# Altium PCB PCB_v6.PcbDoc (part 4 of 7) (continued)
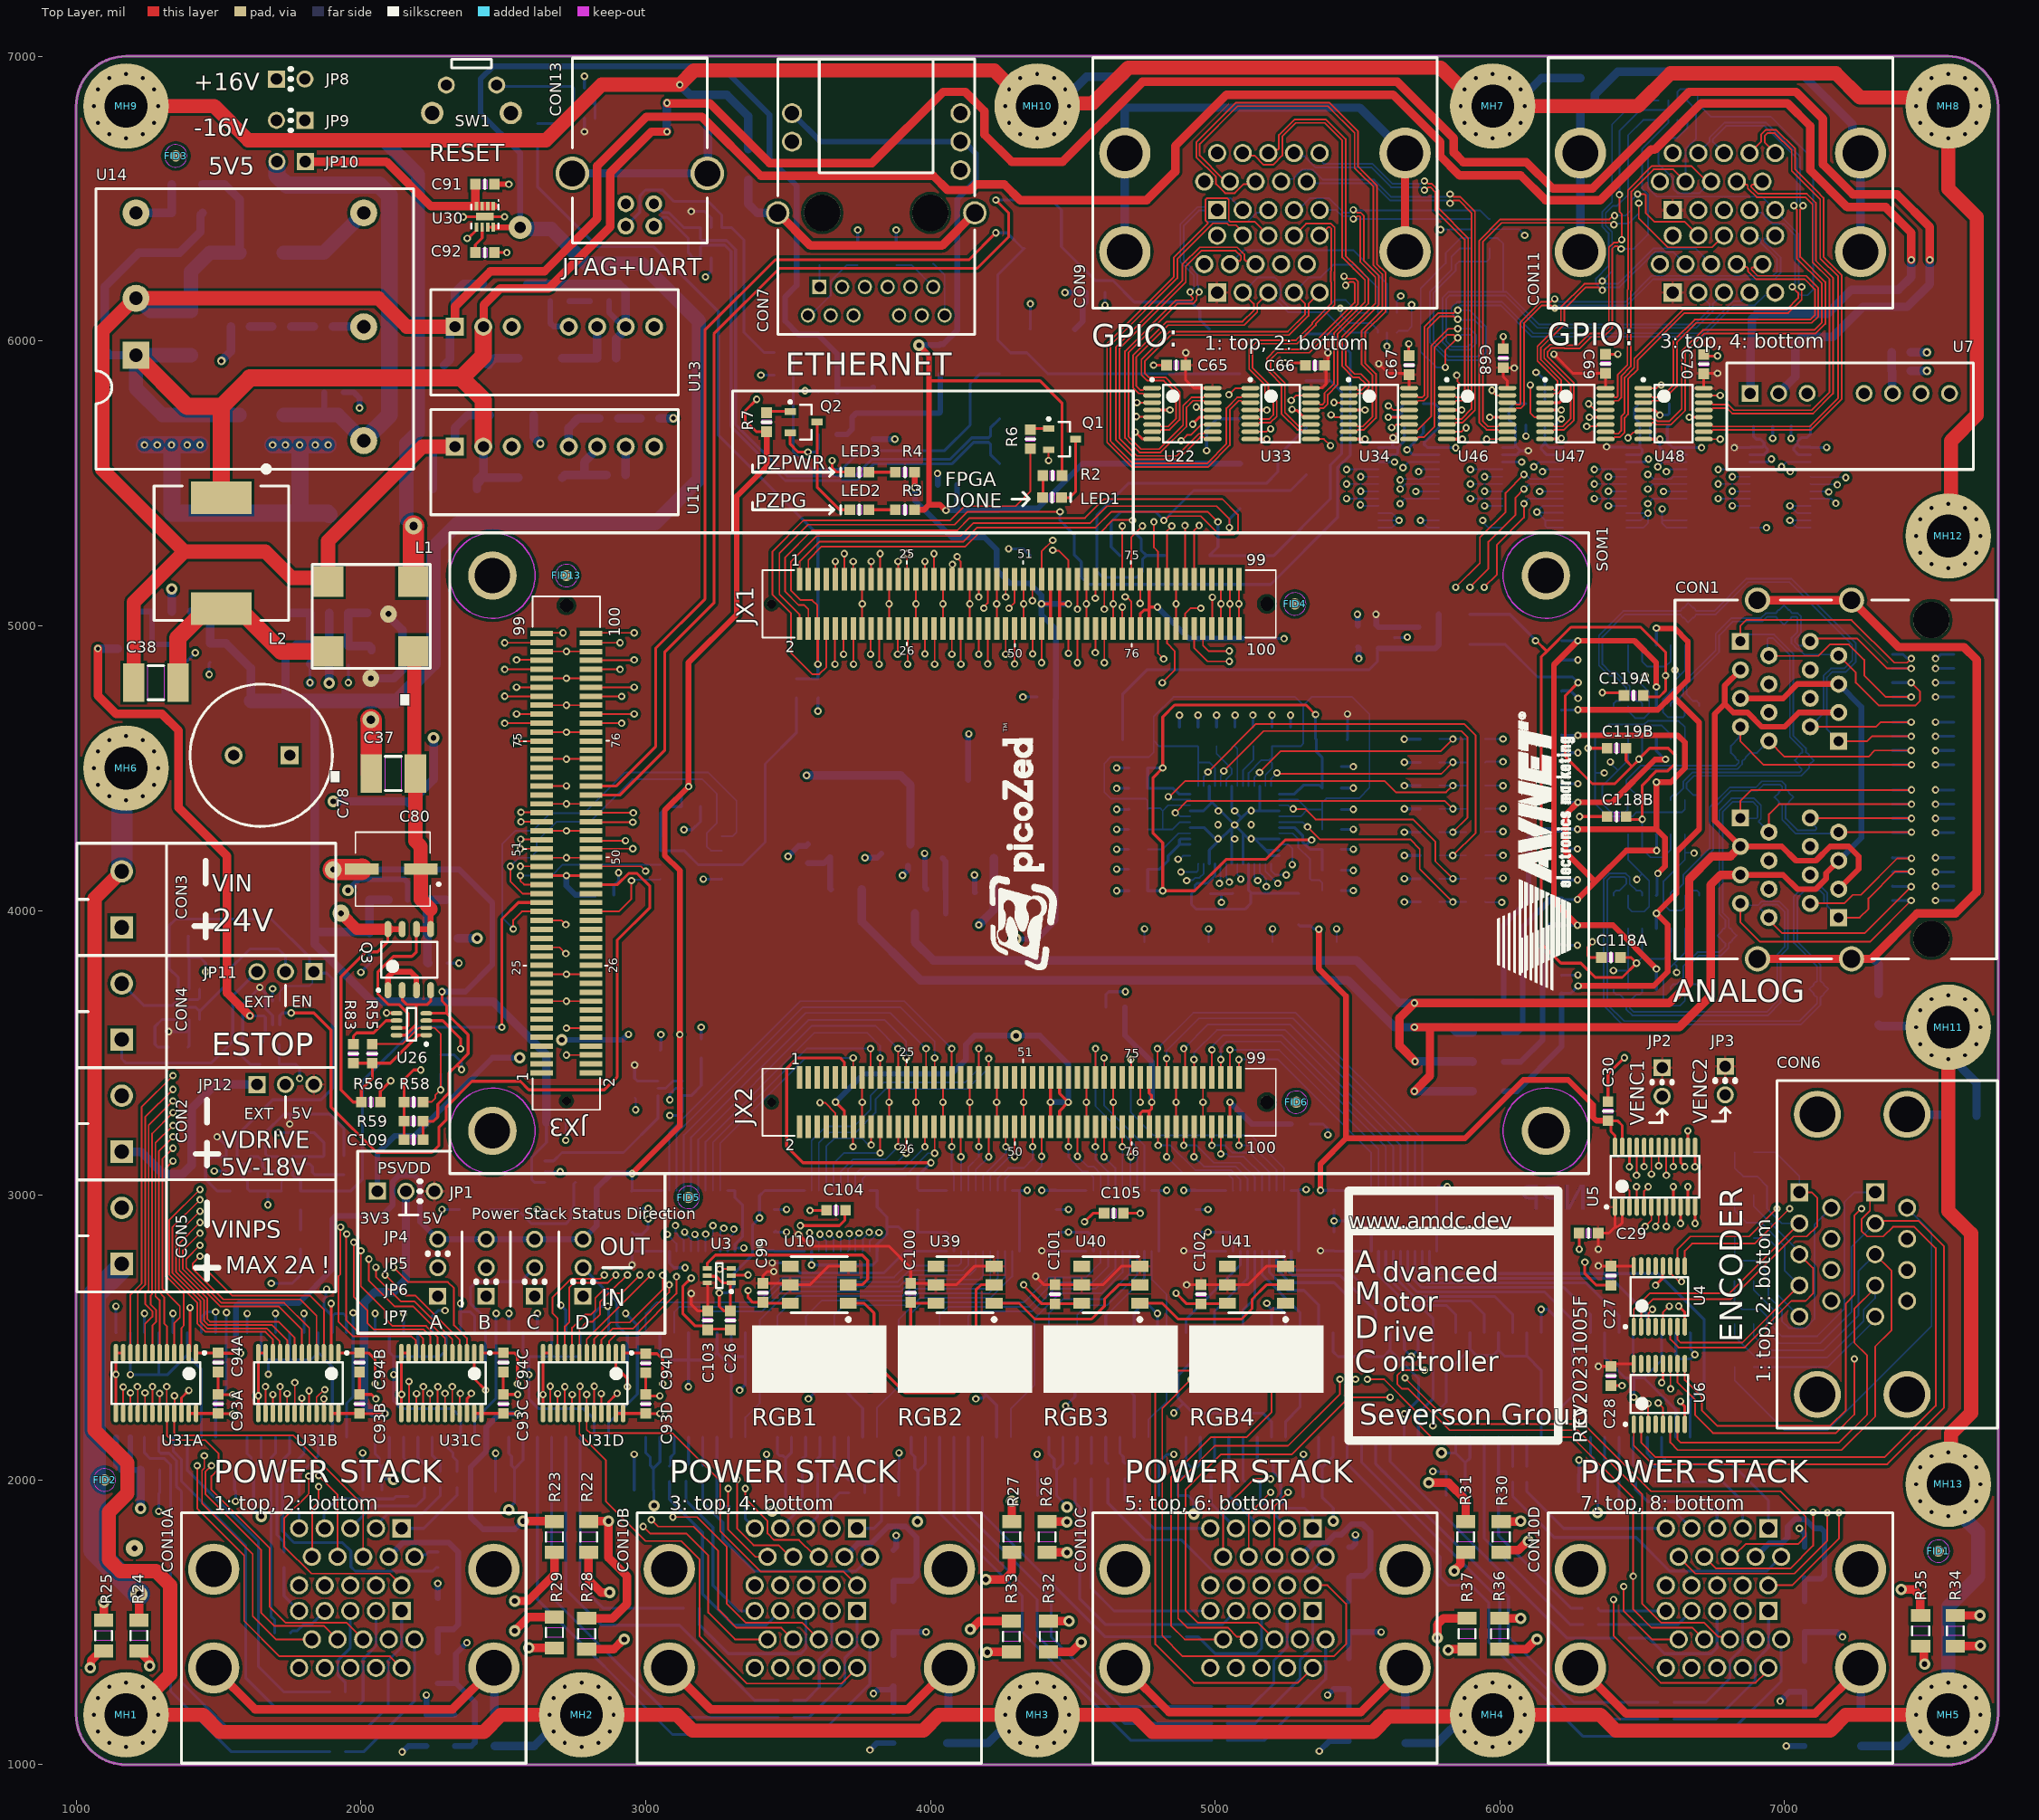
[diagram p0: Top Layer view]
## Nets (pads, with @x,y where several pads share a name; then routed paths per layer and width w, separated by ;. In a path a pad name is that pad's centre, name@x,y a point inside that pad or via, vN(x,y) a via of type N, cw(c..) or ccw(c..) an arc to the next point about the centre after c; other vN are vias at no path point) (continued)
  Bottom Layer w20: C50.1@1938.46,5820 1938.91,5819.55 1975.45,5819.55 1995,5800 v1(1995,5765) ; v2(1954.76,4070.75) 1993.6,4109.59 2152.39,4109.59 2164.3,4097.68 U15.3@2164.3,4037.33 ; v1(2145,1045) 2146.1,1045 2166.54,1065.43 2229.57,1065.43 R96A.1@2230,1065.87 ; v1(2269.89,1636.41) 2269.89,1584.25 R95A.1@2270,1584.13 ; v1(3500,4190) 3536.68,4226.68 3563.49,4226.68 C60.2@3570,4233.19 ; v1(3770.06,4184.94) 3813.13,4184.94 U19.1@3827.92,4199.73 ; v1(3788,1051.89) 3811.97,1075.87 R96B.1@3870,1075.87 ; U17.1@3799.84,5656.06 3800.37,5655.53 3874.47,5655.53 v1(3875,5655) ; R95B.1@3870,1754.13 3880,1764.13 v1(3880,1805) ; v1(3901.94,4123.06) 3921.3,4142.41 C59.2@3921.3,4157.56 ; v1(3979.44,4200.56) 3980.59,4199.41 3980.59,4080.94 C58.1@3986.54,4075 ; v1(4025,5535) 4025.77,5534.23 4025.77,5495.77 C115.1@4026.54,5495 ; U18.4@4132.96,4458.07 4132.96,4616.34 4135,4618.38 v1(4135,4620) ; v1(4155,4125) 4155.77,4124.23 4155.77,4064.67 C57.1@4156.54,4063.9 ; v1(5365.63,1047.5) 5401.59,1083.46 R96C.1@5470,1083.46 ; R95C.1@5470,1764.13 5480.65,1764.13 5493.28,1776.77 v1(5493.28,1807.37) ; v1(5500,5040) 5500.77,5039.23 5500.77,5000.77 C98.1@5501.54,5000 ; C117.1@5501.54,4925 5503.85,4922.68 5503.85,4886.15 v1(5505,4885) ; v1(7006,1065.87) R96D.1@7070,1065.87 ; v1(7052.05,1830) 7070,1812.05 R95D.1@7070,1764.13
  Bottom Layer w30: v2(1336,5129) 1336.19,5128.81 1336.19,5050.19 U21.3@1336.39,5050 ; v4(1510,5930) 1543.26,5963.26 R45.1@1543.26,6051 ; v1(1821,4800) v1@1821.42,4800.42 ; C61.2@1821.42,4866.12 C61.2@1821.84,4866.54 ; v2(1888.84,4799) U20.3@1888.84,5045 ; v2(1903,4383) 2163.64,4383 U15.6@2164.3,4382.33 2170.64,4376 2255.12,4460.48 v2(2255.12,4606.07) ; C36.2@2607.48,5740 2607.48,5662.52 v4(2630,5640) ; C41.2@2707.48,5940 C44.2@2829.7,5940 2829.85,5940.15 2829.85,6049.85 U13.6@2830,6050 ; U11.7@2930,5629.04 U11.7@2930,5629.04 2930.05,5530.05 C39.1@2930.09,5530 ; R40.1@3048.37,5728.9 v4(3097.37,5728.9) ; C96.1@7443.46,5895 v4(7500,5895) ; C97.1@7443.46,5960 v4(7500,5960)
  Bottom Layer w50: C48.2@1728.87,6310 1870,6310 U14.4@2010,6450
  Bottom Layer w60: v1(1240,5635) v1(1285,5635) v1(1335,5635) ; v1(1435,5635) v1(1390,5635) v1(1335,5635) ; v1(1690,5635) v1(1735,5635) v1(1785,5635) ; U20.6@1786.39,5395 1786.39,5633.61 v1(1785,5635) ; v1(1885,5635) v1(1840,5635) v1(1785,5635) ; U20.6@1888.84,5390 1883.84,5395 U21.6@1336.39,5395 1336.39,5633.61 v1(1335,5635)
  other v1: 1640,2295.38 6685,2440 5396.06,3212.02 3855.04,3326.62 4138.5,3326.61 2721.73,4185.37 5068.5,4251.26 5010.34,4252.1 5126.66,4252.1 2721.73,4279.85 5010.34,4301.32 5126.66,4301.32 5011.2,4349.37 5068.5,4349.69 5126.66,4350.53 2721.73,4374.34 2721.73,4531.82 2721.74,4626.31 2721.73,4720.8 2721.73,4815.29 2721.73,4909.78 3760.55,5076.61 3855.04,5076.61 3949.53,5076.61 4044.02,5076.61 4138.51,5076.61 4232.99,5076.61 4327.48,5076.61 4547.95,5076.62 4642.44,5076.62 4862.91,5076.62
GND_IN: C37.1 C78.2 C80.2 C108.2 C109.2 CON3.2 L1.2 MH1.1 MH2.1 MH3.1 MH4.1 MH5.1 MH6.1 MH7.1 MH8.1 MH9.1 MH10.1 MH11.1 MH12.1 MH13.1 R1.2 R9.1 R10.2 R17A.2 R17B.2 R17C.2 R17D.2 R18.2 R19.2 R20.2 R59.2 U26.4 | length 31791.7
  Top Layer w6: MH7.1@6011.93,6790.91 6053.62,6790.91 MH7.1@6056.54,6793.82
  Top Layer w10: C109.2@2218.46,3195 R59.2@2218.46,3260 2255,3260 2270,3275 2270,3320 2310,3360 2310,3430 2337.5,3457.5 ; U26.4@2229.72,3638.78 2301.22,3638.78 ; v1(2285,3715) 2285,3682.29 2301.22,3666.07 2301.22,3638.78 ; v1(2353.58,3441.42) 2337.5,3457.5 ; 2301.22,3638.78 2376.73,3563.27 2376.73,3496.73 2337.5,3457.5
  Top Layer w30: MH10.1@4349.23,6825 MH10.1@4375,6825
  Top Layer w50: CON3.2@1160,4137.43 1065,4042.43 1065,2175 1180,2060 1180,1952.5 1115,1887.5 1115,1720 1155,1680 1280,1680 1330,1630 1330,1316.78 1263.27,1250.05 1263.27,1244.21 1268.74,1238.74 MH1.1@1205,1175 ; MH9.1@1175,6825 MH9.1@1287.5,6825 1485,6825 1605,6705 2650,6705 2845,6900 v1(3120,6900) 3170,6950 4224.23,6950 MH10.1@4349.23,6825 ; MH1.1@1245.73,1261.75 1175,1191.02 MH1.1@1175,1175 MH1.1@1205,1175 ; MH10.1@4375,6825 4384.06,6834.06 4569.06,6834.06 4695,6960 5791.8,6960 5926.8,6825 MH7.1@5975,6825 MH7.1@6087.5,6825 6485,6825 6600,6940 7180,6940 7265,6855 7545,6855 MH8.1@7575,6825 MH8.1@7575,6712.5 7575,6535 7675,6435 7675,5740 7584.06,5649.06 7584.06,5324.06 MH12.1@7575,5315 ; MH5.1@7575,1175 MH5.1@7462.5,1175 7215,1175 7160,1120 6407.74,1120 6352.74,1175 MH4.1@6087.5,1175 MH4.1@5975,1175 5970,1170 5610,1170 5555,1115 4780,1115 4720,1175 MH3.1@4487.5,1175 MH3.1@4375,1175 MH3.1@4262.5,1175 4030,1175 3975,1120 3165,1120 3110,1175 MH2.1@2887.5,1175 MH2.1@2775,1175 MH2.1@2662.5,1175 2491.78,1175 2431.78,1115 1505,1115 1445,1175 MH1.1@1287.5,1175 MH1.1@1205,1175 ; MH13.1@7575,1985 7584.06,1994.06 7584.06,2164.06 7655,2235 7655,2865 7575,2945 MH11.1@7575,3477.5 MH11.1@7575,3590
  Top Layer w75: v3(1903,4143.43) 2001.73,4143.43 C80.2@2003.31,4145 ; v5(2035,4670) 2036.43,4668.57 C37.1@2036.43,4481.33 ; L1.2@2184.21,5154.09 2184.21,5349.21 v5(2185,5350)
  Int2 (Sign) w75: CON3.2@1160,4137.43 1327.42,4137.43 1553,4363 ; v3(1903,4143.43) 1772.58,4143.43 1553,4363 ; v5(2185,5350) 2185,4820 v5(2035,4670) 1678,4670 C78.2@1553,4545 1553,4363
  Bottom Layer w10: C108.2@2280,3493.46 2326.54,3493.46 2353.58,3466.42 v1(2353.58,3441.42)
  Bottom Layer w20: v3(1903,4143.43) 2345.45,4143.43 2461.73,4027.14 2461.73,3809.96 2366.77,3715 v1(2285,3715)
  Bottom Layer w30: R17A.2@2470,1065.87 2608.36,1065.87 2717.5,1175 MH2.1@2775,1175 ; v1(3120,6900) 3155.87,6864.13 R18.2@3220,6864.13 3285.87,6864.13 3360,6790 R10.2@3360,6674.13 ; R17B.2@4060,1075.87 4202.8,1075.87 4301.94,1175 MH3.1@4375,1175 ; MH10.1@4375,6825 4445.61,6825 4548.19,6927.58 R19.2@4683,6927.58 ; R17C.2@5670,1075.87 5779.93,1075.87 5879.06,1175 MH4.1@5975,1175 ; MH7.1@5975,6825 6048.06,6825 6146.25,6923.19 R20.2@6283,6923.19 ; R17D.2@7270,1065.87 7408.36,1065.87 7517.5,1175 MH5.1@7575,1175 ; R1.2@7330,3599.13 7334.57,3594.57 7570.43,3594.57 MH11.1@7575,3590 7575,3494.06 7674.13,3394.93 R9.1@7674.13,3280
  Bottom Layer w50: MH9.1@1175,6825 MH9.1@1287.5,6825 1485,6825 1605,6705 2080,6705 2200,6585 2200,5680 2160,5640 2160,5375 v5(2185,5350) ; MH5.1@7575,1175 MH5.1@7575,1287.5 7575,1555 7680,1660 7680,1816.68 7575,1921.68 MH13.1@7575,1985 MH13.1@7625,2035 ; MH11.1@7575,3590 MH11.1@7625,3640 ; MH12.1@7575,5315 MH12.1@7584.06,5305.94
  Bottom Layer w75: CON3.2@1160,4137.43 1160.72,4138.14 1160.72,4485.72 MH6.1@1175,4500
GND_IN2: C36.1 C38.1 C40.1 C42.1 C46.1 C48.1 C49.1 C95.1 L1.3 R47.2 U7.1 U11.1 U13.1 U14.2 | length 13278.3
  Top Layer w30: U13.1@2330,6050 2330,6120 2455,6245 2645,6245 2830,6430 2830,6615 3002.6,6787.6 3197.4,6787.6 3405,6580 4010,6580 4060,6530 4140,6530 4160,6550 4260,6550 4315,6495 4760,6495 4860,6595 4860,6685 5040,6865 5625,6865 5790.08,6699.92 5790.08,6649.95 5858.07,6581.95 6073.05,6581.95 6160.21,6494.79 6353.08,6494.79 6530.17,6671.89 6543.94,6671.89 6707.05,6835 7010,6835 7090,6755 7090,6600 7220,6470 7355,6470 7445,6380 v1(7445,6285)
  Top Layer w50: C38.1@1202.52,4800 1202.52,5082.52 1380,5260 ; U11.1@2330,5629.04 2216.41,5629.04 1885,5297.63 L1.3@1885,5155 1871.85,5168.15 1756.85,5168.15 1665,5260 1380,5260 ; U13.1@2330,6050 2161.3,6050 2061.3,6150 U14.2@1210,6150 1206.59,6150 1091.57,6034.98 1091.57,5548.43 1380,5260
  Bottom Layer w30: R47.2@1444.13,6550 1521.15,6550 1573.91,6497.24 C48.1@1573.91,6310 ; C40.1@2252.52,5480 2252.52,5611.47 2270.09,5629.04 U11.1@2330,5629.04 2330,5695 2375,5740 C36.1@2452.52,5740 ; C46.1@2292.52,5915 2313.5,5935.98 2313.5,6033.5 U13.1@2330,6050 2330,6170 2360,6200 C42.1@2429.58,6200 ; U7.1@6879.29,5816.26 6880.91,5817.87 6880.91,5980 6884.93,5984.02 6884.93,6077.43 6902.5,6095 7150,6095 7235,6180 7400,6180 7445,6225 v1(7445,6285)
  Bottom Layer w50: U14.2@1210,6150 1215.64,6150 1260.68,6104.96 C49.1@1403.39,6104.96 1403.39,6243.39 1470,6310 C48.1@1573.91,6310
GND_IN_PS: CON5.2 CON10A.14A CON10A.14B CON10B.14A CON10B.14B CON10C.14A CON10C.14B CON10D.14A CON10D.14B | length 10529.7
  Int2 (Sign) w50: CON5.2@1160,2955.43 1060,2855.43 1060,1905 v3(1205,1760)
  Int3 (Sign) w20: 1729.55,1680 1823,1680 CON10A.14A@1873,1630 ; 3337,1682 3421,1682 CON10B.14A@3473,1630 ; 4908,1678 5025,1678 CON10C.14A@5073,1630 ; 6510,1645 6547,1682 6621,1682 CON10D.14A@6673,1630
  Int3 (Sign) w50: v3(1205,1760) 1450,1515 1564.55,1515 ; 1729.55,1680 1564.55,1515 ; CON10A.14B@1873,1340 1873,1195 ; 3337,1682 3265,1610 3265,1200 ; CON10B.14B@3473,1340 3473,1200 ; 4908,1678 4845,1615 4845,1190 ; CON10C.14B@5073,1340 5073,1190 ; 6510,1645 6510,1165 ; CON10D.14B@6673,1340 6670.32,1337.32 6670.32,1247.32 6588,1165 6510,1165 ; 1564.55,1515 1660,1419.55 1660,1308.43 1773.43,1195 1873,1195 ; 1873,1195 2520,1195 2700,1375 2855.41,1375 3030.41,1200 3265,1200 ; 3265,1200 3473,1200 ; 3473,1200 4112.5,1200 4287.5,1375 4455,1375 4640,1190 4845,1190 ; 4845,1190 5073,1190 ; 5073,1190 5708.82,1190 5893.82,1375 6059.43,1375 6269.43,1165 6510,1165
GPIO1_IN1: U22.3 U31E.21 | length 998.8
  Top Layer w6: v1(4725.34,5783.39) U22.3@4778.7,5783.39
  Int2 (Sign) w6: v1(4725.34,5783.39) 4871.61,5783.39 4915,5740 4980,5740 5171.02,5548.98 v1(5461.81,5548.98)
  Bottom Layer w6: v1(5461.81,5548.98) U31E.21@5573.7,5548.98
GPIO1_IN1_N: CON9.3A U9.8 U22.1 | length 1147.8
  Top Layer w6: U22.1@4778.7,5834.57 4753.49,5834.57 4746.69,5827.77 4736.93,5827.77 4723.46,5841.24 4723.46,5944.05 4835.08,6055.67 5101.38,6055.67 5148,6102.29 5148,6131 CON9.3A@5187,6170
  Bottom Layer w6: CON9.3A@5187,6170 5255.88,6101.11 5388.34,6101.11 5459.46,6030 U9.8@5536.43,6030
GPIO1_IN1_P: CON9.2A U9.1 U22.2 | length 1331.2
  Top Layer w6: U22.2@4778.7,5808.98 4753.49,5808.98 4746.69,5815.77 4731.96,5815.77 4711.46,5836.27 4711.46,5949.02 4830.11,6067.67 5096.41,6067.67 5136,6107.26 5136,6131 CON9.2A@5097,6170
  Bottom Layer w6: CON9.2A@5097,6170 5097.84,6170 5151.38,6223.54 5209,6223.54 5228,6204.54 5228,6149.52 5264.4,6113.11 5389.54,6113.11 5420.09,6143.66 5458.84,6143.66 5503.99,6098.5 U9.1@5536.43,6098.5
GPIO1_IN2: U22.5 U31E.20 | length 1047.9
  Top Layer w6: v1(4723.46,5734.38) 4724.55,5733.29 4777.61,5733.29 U22.5@4778.7,5732.2
  Int2 (Sign) w6: v1(4723.46,5734.38) 4985.64,5472.2 5472.2,5472.2 5490,5490 5498.04,5490 5511.36,5503.32 v1(5511.36,5523.39)
  Bottom Layer w6: v1(5511.36,5523.39) U31E.20@5573.7,5523.39
GPIO1_IN2_N: CON9.5A U9.7 U22.7 | length 1426
  Top Layer w6: U22.7@4778.7,5681.02 4803.92,5681.02 4810.71,5687.82 4840.14,5687.82 4875.42,5723.09 4875.42,5822.03 4843.57,5853.88 4839.32,5858.12 4824.86,5872.58 4766.91,5872.58 4753.49,5886 4753.49,5929.57 4844.55,6020.63 5259.92,6020.63 5328,6088.71 5328,6131 CON9.5A@5367,6170 CON9.5A@5364.02,6170
  Int2 (Sign) w6: CON9.5A@5367,6170 5418.17,6118.83 5435.68,6118.83 v1(5439.51,6115)
  Bottom Layer w6: v1(5439.51,6115) 5441,6113.51 5441,6093 5470.71,6063.29 5547.44,6063.29 5571.86,6038.86 U9.7@5571.86,6030
GPIO1_IN2_P: CON9.4A U9.2 U22.6 | length 1579
  Top Layer w6: U22.6@4778.7,5706.61 4803.92,5706.61 4810.71,5699.82 4835.17,5699.82 4863.42,5728.06 4863.42,5817.06 4819.89,5860.58 4761.94,5860.58 4741.49,5881.03 4741.49,5934.54 4839.57,6032.63 5254.95,6032.63 5316,6093.68 5316,6131 CON9.4A@5277,6170
  Bottom Layer w6: CON9.4A@5277,6170 5330.54,6223.54 5371.19,6223.54 5414.92,6267.28 5489.87,6267.28 5571.86,6185.28 U9.2@5571.86,6098.5
GPIO1_IN3: U22.11 U31E.19 | length 890.4
  Top Layer w6: v1(4880.56,5649.44) 4901.11,5670 4915,5670 4951.21,5706.21 4990.9,5706.21 U22.11@4991.3,5706.61
  Int2 (Sign) w6: v1(4880.56,5649.44) 5032.2,5497.8 v1(5461.81,5497.8)
  Bottom Layer w6: v1(5461.81,5497.8) U31E.19@5573.7,5497.8
GPIO1_IN3_N: CON9.8A U9.6 U22.9 | length 2181.4
  Top Layer w6: U22.9@4991.3,5655.43 4966.08,5655.43 4959.29,5662.23 4947.4,5662.23 4869.55,5584.37 4720.37,5584.37 4655.45,5649.29 4651.94,5652.8 4651.94,5978.78 4885,6211.85 4885,6267.95 4946.05,6329 5077.45,6329 5091.74,6314.71 5095.97,6310.48 5103,6303.45 5103,6285.74 5107.64,6281.1 5130.9,6281.1 CON9.8A@5142,6270
  Int2 (Sign) w6: CON9.8A@5142,6270 5190.92,6318.92 5402.67,6318.92 5603.42,6118.17 v1(5603.42,5981.58)
  Bottom Layer w6: v1(5603.42,5981.58) U9.6@5603.36,6030
GPIO1_IN3_P: CON9.7A U9.3 U22.10 | length 2095
  Top Layer w6: U22.10@4991.3,5681.02 4966.08,5681.02 4959.29,5674.23 4942.43,5674.23 4864.58,5596.37 4725.34,5596.37 4663.94,5657.78 4663.94,5973.81 4897,6206.88 4897,6262.98 4951.02,6317 5072.48,6317 5091,6298.48 5091,6285.74 5086.36,6281.1 5063.1,6281.1 CON9.7A@5052,6270
  Bottom Layer w6: CON9.7A@5052,6270 5100.92,6318.92 5485.61,6318.92 5603.36,6201.16 U9.3@5603.36,6098.5
GPIO1_OUT1: U31G.21 U33.1 | length 1309.2
  Top Layer w6: v1(5048.54,5811.53) 5071.58,5834.57 U33.1@5123.7,5834.57
  Int2 (Sign) w6: v1(5048.54,5811.53) 5102.02,5865 5735,5865 5795,5805 5795,5615 5861.02,5548.98 v1(5896.81,5548.98)
  Bottom Layer w6: v1(5896.81,5548.98) U31G.21@6008.7,5548.98
GPIO1_OUT1_N: CON9.13A U33.3 | length 2031.5
  Top Layer w6: U33.3@5123.7,5783.39 5098.49,5783.39 5091.69,5790.18 5083.01,5790.18 5051.89,5759.06 5051.89,5633.86 4976.03,5558 4706.53,5558 4643.45,5621.08 4620.44,5644.09 4620.44,5990.47 4855.47,6225.5 4855.47,6293.43 4973.67,6411.63 4973.67,6416.6 4966,6424.27 4966,6495.73 4971.27,6501 5042.73,6501 5048,6495.73 5048,6424.51 5053.51,6419 5138,6419 CON9.13A@5187,6370
GPIO1_OUT1_P: CON9.12A U33.2 | length 1739.9
  Top Layer w6: CON9.12A@5097,6370 5097,6382.95 5072.95,6407 5048.54,6407 5042.12,6413.42 4992.44,6413.42 4867.47,6288.46 4867.47,6220.53 4632.44,5985.5 4632.44,5649.06 4643.45,5638.05 4711.5,5570 4971.06,5570 5039.89,5638.83 5039.89,5764.03 5078.04,5802.18 5091.69,5802.18 5098.49,5808.98 U33.2@5123.7,5808.98
GPIO1_OUT2: U31G.20 U33.7 | length 1190.4
  Top Layer w6: U33.7@5123.7,5681.02 5179.29,5681.02 5189.69,5691.42 v1(5195.1,5691.42)
  Int2 (Sign) w6: v1(5195.1,5691.42) 5251.42,5691.42 5400,5840 5715,5840 5770,5785 5770,5600 5846.61,5523.39 v1(5946.36,5523.39)
  Bottom Layer w6: v1(5946.36,5523.39) U31G.20@6008.7,5523.39
GPIO1_OUT2_N: CON9.15A U33.5 | length 1033
  Top Layer w6: U33.5@5123.7,5732.2 5148.92,5732.2 5155.71,5725.41 5189.52,5725.41 5204.34,5740.23 5204.34,5783.92 5193.7,5794.56 5175,5813.26 5175,5845.39 5119.37,5901.02 5119.37,5970.52 5151.33,6002.47 5283.5,6002.47 5341.51,6060.48 5341.51,6065.08 5408,6131.57 5408,6206.56 5406.76,6207.8 5406.76,6245.91 5408,6247.15 5408,6394.54 5402.26,6400.29 5397.29,6400.29 CON9.15A@5367,6370
GPIO1_OUT2_P: CON9.14A U33.6 | length 1167.8
  Top Layer w6: U33.6@5123.7,5706.61 5148.92,5706.61 5155.71,5713.41 5194.49,5713.41 5216.34,5735.26 5216.34,5788.89 5212.82,5792.41 5193.7,5811.53 5187,5818.23 5187,5850.36 5131.37,5905.99 5131.37,5965.55 5156.3,5990.47 5288.47,5990.47 5353.51,6055.51 5353.51,6060.11 5420,6126.6 5420,6211.53 5418.76,6212.77 5418.76,6240.94 5420,6242.18 5420,6399.51 5407.23,6412.29 5319.29,6412.29 CON9.14A@5277,6370
GPIO1_OUT3: U31G.19 U33.9 | length 1133.9
  Top Layer w6: U33.9@5336.3,5655.43 5382.07,5655.43 v1(5405,5632.5)
  Int2 (Sign) w6: v1(5405,5632.5) 5355,5682.5 5355,5760 5410,5815 5690,5815 5745,5760 5745,5590 5837.2,5497.8 v1(5896.81,5497.8)
  Bottom Layer w6: v1(5896.81,5497.8) U31G.19@6008.7,5497.8
GPIO1_OUT3_N: CON9.10A U33.11 | length 993.7
  Top Layer w6: U33.11@5336.3,5706.61 5311.08,5706.61 5304.29,5699.82 5293.92,5699.82 5245,5748.74 5245,5853 5208.49,5889.52 5194.49,5903.51 5194.49,5934.54 5218.85,5958.9 5331.49,5958.9 5502.27,6129.68 5502.27,6207.56 5490.95,6218.88 5466.14,6218.88 5458.17,6226.85 v1(5452.76,6226.85)
  Int2 (Sign) w6: CON9.10A@5322,6270 5409.61,6270 v1(5452.76,6226.85)
GPIO1_OUT3_P: CON9.9A U33.10 | length 1098.2
  Top Layer w6: U33.10@5336.3,5681.02 5311.08,5681.02 5304.29,5687.82 5288.95,5687.82 5233,5743.77 5233,5848.03 5195.76,5885.28 5182.49,5898.54 5182.49,5939.51 5213.88,5970.9 5326.52,5970.9 5490.27,6134.65 5490.27,6202.59 5485.98,6206.88 5471.81,6206.88 5460.32,6195.39 v1(5458.57,6195.39)
  Int2 (Sign) w6: CON9.9A@5232,6270 5278.46,6223.54 5399.31,6223.54 5427.47,6195.39 v1(5458.57,6195.39)
GPIO2_IN1: U22.13 U31E.18 | length 896.1
  Top Layer w6: v1(4934.05,5768.18) 4939.46,5768.18 4949.84,5757.8 U22.13@4991.3,5757.8
  Int2 (Sign) w6: v1(4934.05,5768.18) 5006.82,5768.18 5185,5590 5485,5590 5534.02,5540.98 5534.02,5494.86 v1(5511.36,5472.2)
  Bottom Layer w6: v1(5511.36,5472.2) U31E.18@5573.7,5472.2
GPIO2_IN1_N: CON9.3B U9.5 U22.15 | length 2598.9
  Top Layer w6: v1(4944,6172.32) 4944,6166.91 4935.2,6158.11 4935.2,6143.93 4922.27,6131 4867.54,6131 4695.43,5958.9 4695.43,5664.65 4712.52,5647.56 4739.71,5620.37 4803.4,5620.37 4887.42,5704.39 4887.42,5772.17 4917.43,5802.18 4959.29,5802.18 4966.08,5808.98 U22.15@4991.3,5808.98
  Int2 (Sign) w6: CON9.3B@5187,6460 5228,6501 5400.95,6501 5432,6469.95 5432,6321.61 5626.11,6127.5 v1(5690.07,6127.5)
  Bottom Layer w6: v1(4944,6172.32) 4940.51,6175.81 4940.51,6194.32 4937.51,6197.32 4937.51,6234.99 4890.11,6282.39 4890.11,6405.71 4942.9,6458.5 4962.49,6458.5 4966,6454.98 4966,6424.27 4971.27,6419 5113.98,6419 5146,6451.02 5178.02,6451.02 CON9.3B@5187,6460 ; U9.5@5638.79,6030 5644.38,6035.59 5675,6035.59 5690,6050.58 5690,6127.43 v1(5690.07,6127.5)
GPIO2_IN1_P: CON9.2B U9.4 U22.14 | length 2519.5
  Top Layer w6: v1(4912,6172.32) 4915.83,6168.5 4915.83,6158.09 4921.62,6152.29 4921.62,6147.32 4917.3,6143 4862.56,6143 4683.43,5963.87 4683.43,5659.68 4699.79,5643.32 4734.74,5608.37 4808.37,5608.37 4899.42,5699.42 4899.42,5767.19 4922.4,5790.18 4959.29,5790.18 4966.08,5783.39 U22.14@4991.3,5783.39
  Int2 (Sign) w6: CON9.2B@5097,6460 5150,6513 5405.92,6513 5444,6474.92 5444,6326.58 5612.49,6158.09 v1(5651.75,6158.09)
  Bottom Layer w6: v1(4912,6172.32) 4925.51,6185.84 4925.51,6230.02 4878.11,6277.42 4878.11,6410.68 4937.93,6470.5 4962.49,6470.5 4966,6474.01 4966,6495.73 4971.27,6501 5056,6501 CON9.2B@5097,6460 ; U9.4@5638.79,6098.5 5638.79,6139.93 5651.75,6152.89 v1(5651.75,6158.09)
GPIO2_IN2: U31E.17 U34.3 | length 774.3
  Top Layer w6: v1(5417.64,5783.98) 5417.94,5783.68 5468.4,5783.68 U34.3@5468.7,5783.39
  Int2 (Sign) w6: v1(5417.64,5783.98) 5421.47,5780.15 5445.99,5780.15 5577.19,5648.95 5577.19,5428.18 5534.02,5385 5495.97,5385 5461.81,5419.16 v1(5461.81,5446.61)
  Bottom Layer w6: v1(5461.81,5446.61) U31E.17@5573.7,5446.61
GPIO2_IN2_N: CON9.5B U34.1 U49.8 | length 1351.2
  Top Layer w6: U34.1@5468.7,5834.57 5493.92,5834.57 5500.71,5827.77 5515,5827.77 5528.18,5840.95 5528.18,5850.27 5506.39,5872.06 5485.3,5872.06 5446.29,5911.07 5446.29,6015.5 5563,6132.2 5563,6224.55 5510.19,6277.36 5510.19,6435.08 5506.68,6438.6 5499.08,6438.6 5489.08,6428.6 v1(5485.57,6428.6)
  Bottom Layer w6: CON9.5B@5367,6460 5424.98,6460 5446.38,6438.6 5472.05,6438.6 5482.05,6428.6 v1(5485.57,6428.6) 5485.88,6428.28 5895.99,6428.28 U49.8@5896.3,6427.97
GPIO2_IN2_P: CON9.4B U34.2 U49.1 | length 1591.7
  Top Layer w6: U34.2@5468.7,5808.98 5493.92,5808.98 5500.71,5815.77 5519.97,5815.77 5540.18,5835.98 5540.18,5855.24 5511.36,5884.06 5490.27,5884.06 5458.29,5916.04 5458.29,6010.53 5575,6127.23 5575,6229.52 5522.19,6282.33 5522.19,6440.05 5511.65,6450.6 5499.08,6450.6 5489.08,6460.6 v1(5485.57,6460.6)
  Bottom Layer w6: CON9.4B@5277,6460 5291.02,6460 5332.02,6501 5400.95,6501 5451.36,6450.6 5472.05,6450.6 5482.05,6460.6 5483.59,6459.06 5930.72,6459.06 5961.81,6427.97 U49.1@5964.8,6427.97
GPIO2_IN3: U31E.16 U34.5 | length 531.2
  Top Layer w6: v1(5407.23,5740.38) 5412.64,5740.38 5420.82,5732.2 U34.5@5468.7,5732.2
  Int2 (Sign) w6: v1(5407.23,5740.38) 5558.18,5589.43 5558.18,5467.85 5514.95,5424.61 v1(5510,5424.61)
  Bottom Layer w6: v1(5510,5424.61) 5513.59,5421.02 U31E.16@5573.7,5421.02
GPIO2_IN3_N: CON9.8B U34.7 U49.7 | length 3339.5
  Top Layer w6: CON9.8B@5142,6560 5133.02,6551.02 5101,6551.02 5068.98,6519 5035.02,6519 5003,6551.02 5003,6576.98 4934.05,6645.94 4934.05,6696.97 5074.08,6837 5400.75,6837 5440.52,6797.23 5471.81,6765.94 5501.89,6735.86 5501.89,6612.71 5523.49,6591.11 5568,6546.6 5568,6270.47 5599,6239.47 5599,6103.67 5527,6031.67 5527,5922.5 5564.71,5884.79 5564.71,5729.41 5523.11,5687.82 5500.71,5687.82 5493.92,5681.02 U34.7@5468.7,5681.02
  Int2 (Sign) w6: CON9.8B@5142,6560 5142,6718.57 5178.76,6755.34 5377.58,6755.34 5477.89,6655.03 5477.89,6586.14 5601.11,6462.92 5720.06,6462.92 v1(5791.8,6391.18)
  Bottom Layer w6: v1(5791.8,6391.18) 5792.48,6391.86 5895.62,6391.86 U49.7@5896.3,6392.54
GPIO2_IN3_P: CON9.7B U34.6 U49.2 | length 3553.9
  Top Layer w6: CON9.7B@5052,6560 5040.9,6571.1 5025.86,6571.1 4946.05,6650.91 4946.05,6692 5079.05,6825 5395.78,6825 5428.52,6792.26 5459.08,6761.7 5489.89,6730.89 5489.89,6607.74 5510.76,6586.87 5556,6541.63 5556,6265.5 5587,6234.5 5587,6108.64 5515,6036.64 5515,5917.53 5518.51,5914.01 5552.71,5879.82 5552.71,5734.38 5518.14,5699.82 5500.71,5699.82 5493.92,5706.61 U34.6@5468.7,5706.61
  Int2 (Sign) w6: CON9.7B@5052,6560 5052,6714.55 5104.78,6767.34 5382.55,6767.34 5489.89,6660 5489.89,6591.11 5606.08,6474.92 5758.11,6474.92 5861.93,6371.1 v1(6087.5,6371.1)
  Bottom Layer w6: U49.2@5964.8,6392.54 6066.06,6392.54 v1(6087.5,6371.1)
GPIO2_OUT1: U31G.18 U33.15 | length 1792.9
  Top Layer w6: v1(5267.26,5791.4) 5284.84,5808.98 U33.15@5336.3,5808.98
  Int2 (Sign) w6: v1(5267.26,5791.4) 5238.65,5820 5110,5820 5065,5775 5035,5775 5012.49,5797.51 5012.49,5832.49 5065,5885 5740,5885 5815,5810 5815,5623.89 5858.89,5580 5950,5580 5975,5555 5975,5500.85 v1(5946.36,5472.2)
  Bottom Layer w6: v1(5946.36,5472.2) U31G.18@6008.7,5472.2
GPIO2_OUT1_N: CON9.13B U33.13 | length 1467
  Top Layer w6: CON9.13B@5187,6660 5198.1,6671.1 5219.09,6671.1 5224,6676.01 5224,6723.47 5278.47,6777.94 5389.6,6777.94 5458.29,6709.25 5458.29,6298.85 5498.76,6258.39 5538.3,6218.84 5538.3,6131.77 5430,6023.46 5430,5845.88 5395.64,5811.53 5395.64,5779.01 5381.22,5764.59 5368.31,5764.59 5361.51,5757.8 U33.13@5336.3,5757.8
GPIO2_OUT1_P: CON9.12B U33.14 | length 1558
  Top Layer w6: CON9.12B@5097,6660 5105.98,6651.02 5138,6651.02 5170.02,6619 5203.98,6619 5236,6651.02 5236,6718.5 5283.44,6765.94 5384.63,6765.94 5446.29,6704.28 5446.29,6293.88 5486.03,6254.15 5526.3,6213.87 5526.3,6136.74 5418,6028.44 5418,5850.86 5383.64,5816.5 5383.64,5783.98 5376.25,5776.59 5368.31,5776.59 5361.51,5783.39 U33.14@5336.3,5783.39
GPIO2_OUT2: U31G.17 U46.1 | length 947
  Top Layer w6: U46.1@5813.7,5834.57 5854.05,5834.57 5857.57,5838.08 5857.57,5851.65 5851.4,5857.82 5851.4,5876.81 v1(5848.38,5879.82)
  Int2 (Sign) w6: v1(5848.38,5879.82) 5848.38,5836.62 5915,5770 5970,5770 5995,5745 5995,5615 6035,5575 6035,5445 5985,5395 5915,5395 5896.81,5413.19 v1(5896.81,5446.61)
  Bottom Layer w6: v1(5896.81,5446.61) U31G.17@6008.7,5446.61
GPIO2_OUT2_N: CON9.15B U46.3 | length 1340
  Top Layer w6: v1(5735,6562) 5738.51,6562 5748.51,6552 5761.08,6552 5785,6528.08 5785,6465 5888.57,6361.43 5888.57,5812.79 5865.97,5790.18 5845.71,5790.18 5838.92,5783.39 U46.3@5813.7,5783.39
  Bottom Layer w6: CON9.15B@5367,6660 5378.1,6648.9 5378.1,6625.38 5381.75,6621.73 5553.27,6621.73 5623,6552 5721.49,6552 5731.49,6562 v1(5735,6562)
GPIO2_OUT2_P: CON9.14B U46.2 | length 1381.4
  Top Layer w6: v1(5735,6530) 5738.51,6530 5748.51,6540 5756.11,6540 5773,6523.11 5773,6460.03 5876.57,6356.45 5876.57,5817.76 5861,5802.18 5845.71,5802.18 5838.92,5808.98 U46.2@5813.7,5808.98
  Bottom Layer w6: CON9.14B@5277,6660 5287.5,6649.5 5312.49,6649.5 5352.25,6609.73 5548.3,6609.73 5618.03,6540 5721.49,6540 5731.49,6530 v1(5735,6530)
GPIO2_OUT3: U31G.16 U46.7 | length 499.9
  Top Layer w6: U46.7@5813.7,5681.02 5864.38,5681.02 5878.28,5694.92 v1(5881.59,5694.92)
  Int2 (Sign) w6: v1(5881.59,5694.92) 5910,5666.52 5910,5630 5930,5610 5955,5610 6005,5560 6005,5479.67 v1(5946.36,5421.02)
  Bottom Layer w6: v1(5946.36,5421.02) U31G.16@6008.7,5421.02
GPIO2_OUT3_N: CON9.10B U46.5 | length 1425.3
  Top Layer w6: U46.5@5813.7,5732.2 5838.92,5732.2 5845.71,5725.41 5864.69,5725.41 5900.57,5761.29 5900.57,6449.43 5856.27,6493.73 5838.51,6493.73 5828.51,6483.73 v1(5825,6483.73)
  Bottom Layer w6: CON9.10B@5322,6560 5327.6,6554.4 5553.63,6554.4 5614.3,6493.73 5811.49,6493.73 5821.49,6483.73 v1(5825,6483.73)
GPIO2_OUT3_P: CON9.9B U46.6 | length 1584.1
  Top Layer w6: U46.6@5813.7,5706.61 5838.92,5706.61 5845.71,5713.41 5869.67,5713.41 5912.57,5756.32 5912.57,6454.4 5861.24,6505.73 5838.51,6505.73 5828.51,6515.73 v1(5825,6515.73)
  Bottom Layer w6: CON9.9B@5232,6560 5240.98,6568.98 5273,6568.98 5305.02,6601 5344.02,6601 5378.62,6566.4 5558.6,6566.4 5619.27,6505.73 5811.49,6505.73 5821.49,6515.73 v1(5825,6515.73)